# KiCad board helios-panel.kicad_pcb (continued)
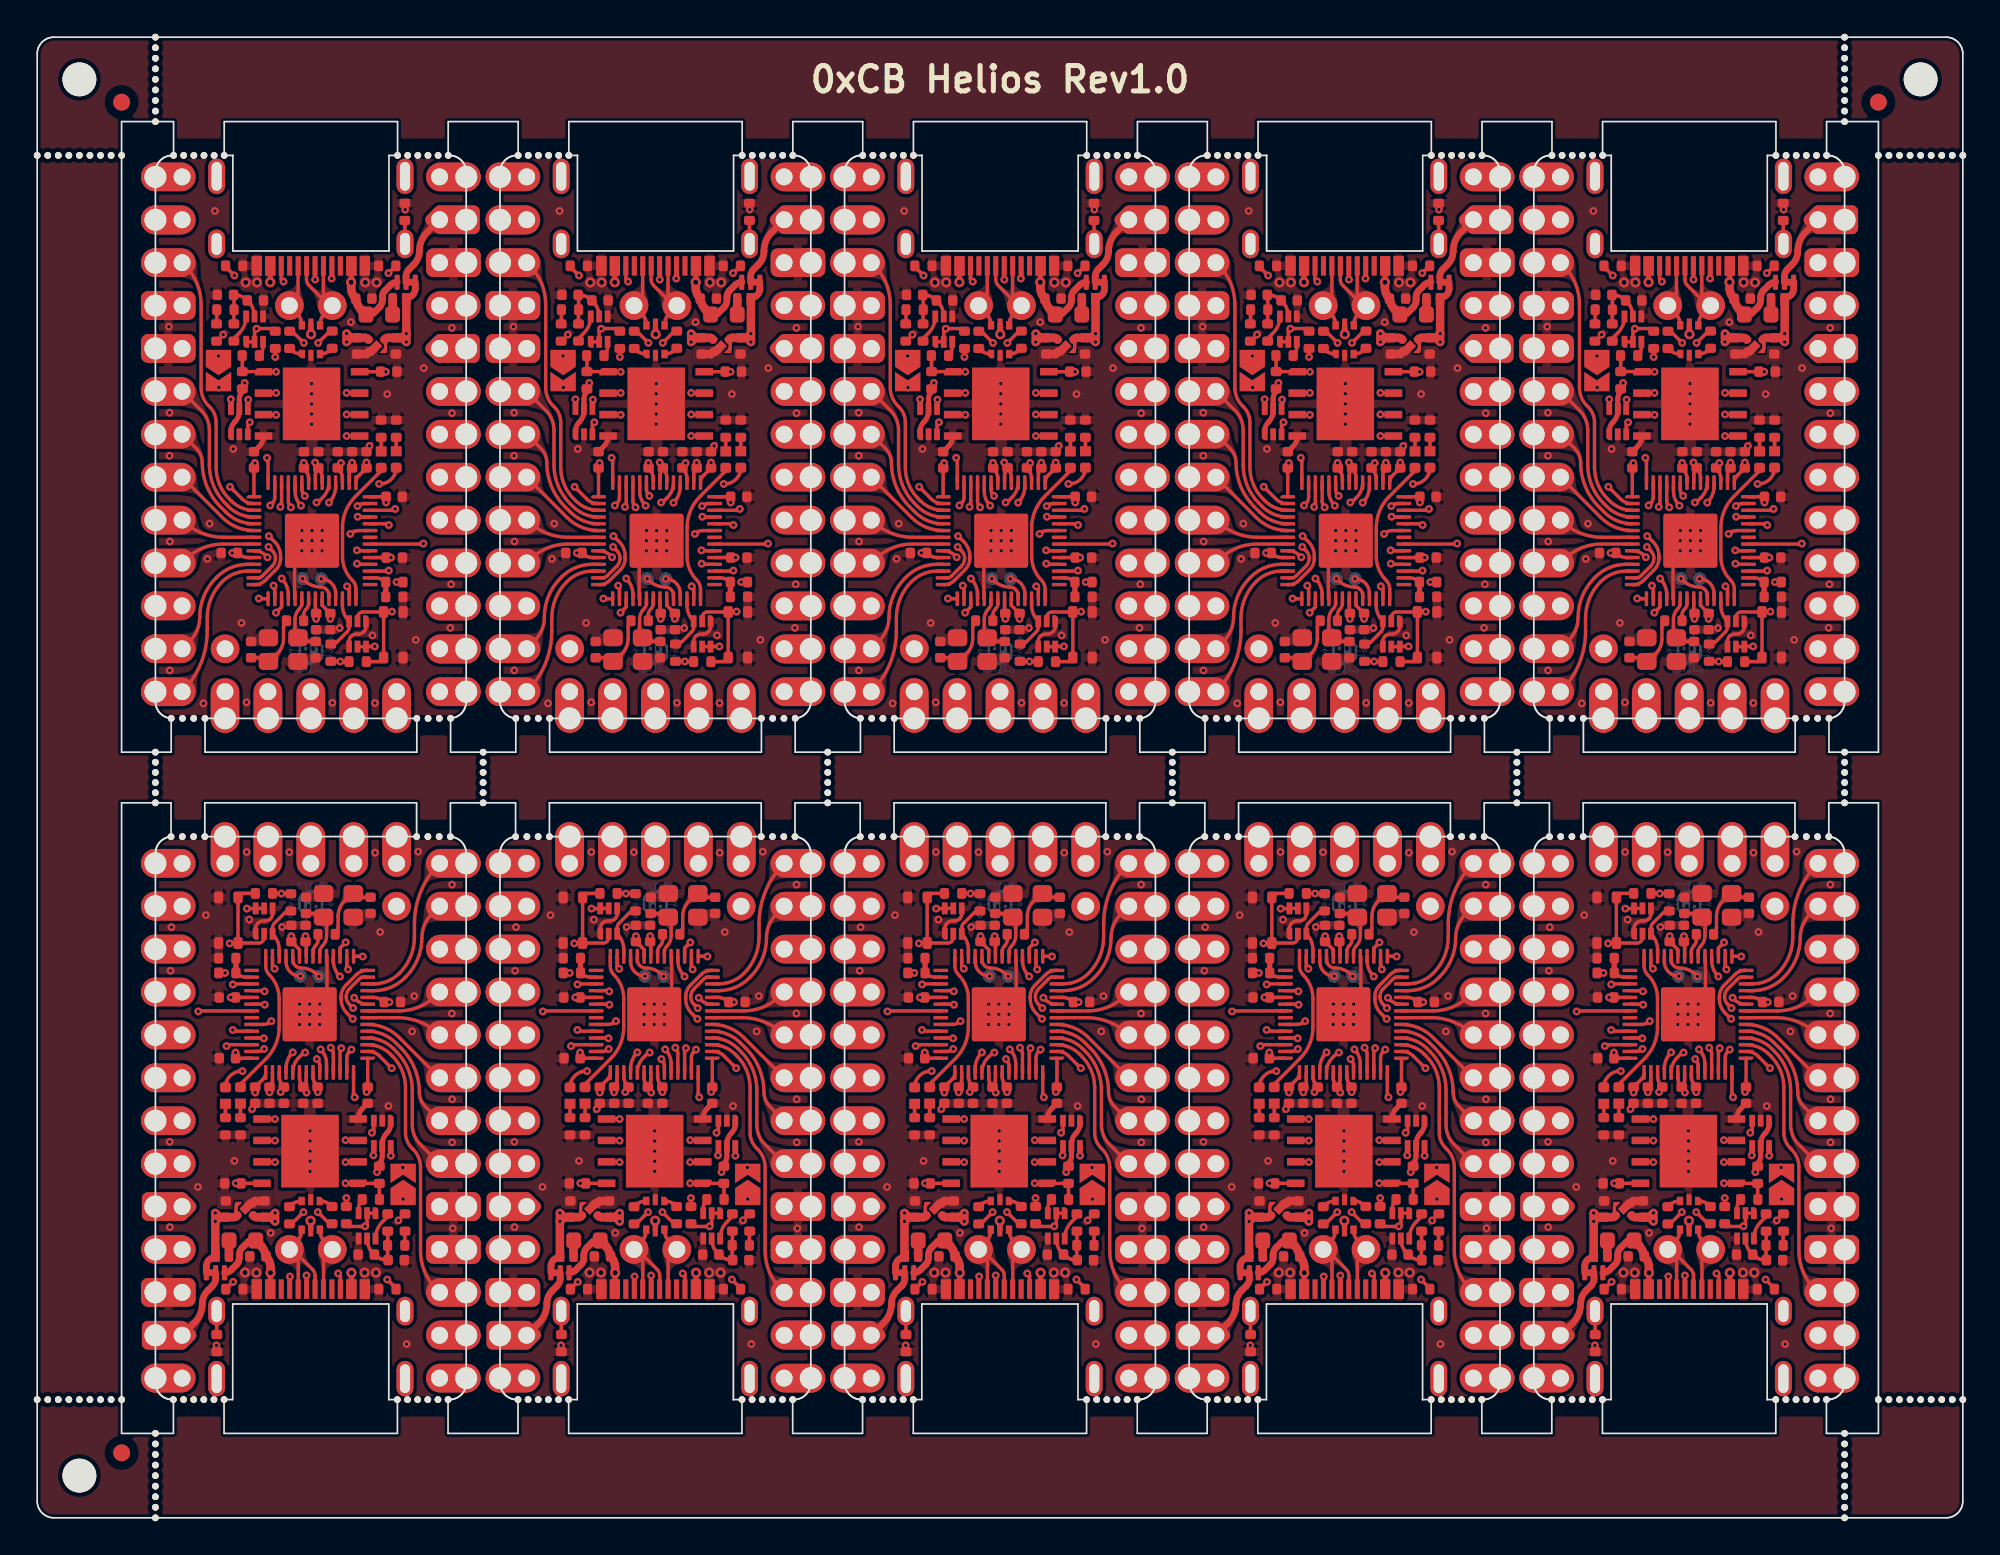
[diagram p0: board, top side]
## Routing (per net, layer and track width the routed paths; a pad name or vN(x,y) marks a point on that pad's centre or on a via; arc(x,y) is an arc through that point) (continued)
  Top w0.2: v1(13.46,31.17) 13.43,31.21 U4#6.32
  In1.Cu w0.2: J2#9.19 11.48,35.85 arc(12.78,34.02) 13.41,31.88 13.41,31.22 v1(13.46,31.17)
Board_5-/22_SCK: length 5.9
  Top w0.2: U4#6.34 13.45,30.41 v1(13.48,30.38)
  In1.Cu w0.2: v1(13.48,30.38) 13.43,30.34 10.5,30.34 arc(9.46,30.54) J2#9.22
Board_5-/23_SDO: length 9.8
  Top w0.2: U4#6.35 9.57,30.01 v1(9.54,29.98)
  In2.Cu w0.2: v1(9.54,29.98) 9.66,30.11 9.66,33.83 arc(9.43,35.03) 8.75,36.04 J2#9.20
Board_5-/A0: length 4.2
  Top w0.2: U4#6.38 11.66,28.81 v1(11.58,28.88)
  In1.Cu w0.2: v1(11.58,28.88) 9.29,28.88 arc(8.91,28.81) J2#9.23
Board_5-/A1: length 6.5
  Top w0.2: v1(13.43,28.39) 13.41,28.41 U4#6.39
  In1.Cu w0.2: J2#9.24 10.68,28.15 arc(10.97,28.34) 11.31,28.41 13.4,28.41 v1(13.43,28.39)
Board_5-/A2: length 6.8
  Top w0.2: U4#6.40 11.29,28.01 v1(11.2,27.93)
  In1.Cu w0.2: J2#9.25 9.94,24.87 arc(10.88,26.27) v1(11.2,27.93)
Board_5-/A3: length 9.7
  Top w0.2: v1(13.43,27.76) 13.43,27.76 arc(13.27,27.65) 13.08,27.61 U4#6.41
  In1.Cu w0.2: J2#9.26 10.4,22.79 arc(11.09,23.83) 11.34,25.05 11.34,25.55 arc(11.5,26.4) 11.99,27.12 12.05,27.19 arc(12.69,27.61) v1(13.43,27.76)
Board_5-/BOOT: length 0.9
  Top w0.2: Q2#9.3 19.03,18.33 arc(19.09,18.61) 19.24,18.85
Board_5-/D+: length 12.7
  Top w0.2: v1(16.62,18.1) 17.3,17.41 R12#7.2 ; v1(15.87,27.55) 15.79,27.55 15.5,27.26 arc(15.23,26.85) U4#6.47
  In1.Cu w0.2: v1(16.62,18.1) 15.99,18.73 arc(15.51,19.45) 15.34,20.29 15.34,21.15 15.34,25.04 arc(15.38,25.23) 15.49,25.39 15.58,25.49 arc(15.69,25.65) 15.73,25.84 15.73,27.41 v1(15.87,27.55)
Board_5-/D-: length 12.7
  Top w0.2: v1(15.77,18.1) 15.06,17.4 R13#2.2 ; U4#6.46 14.73,26.59 arc(14.83,27.12) v1(15.13,27.56)
  In1.Cu w0.2: v1(15.77,18.1) 15.77,18.11 arc(15.73,18.3) 15.62,18.46 arc(15.08,19.27) 14.89,20.22 14.89,21.53 arc(14.86,21.6) 14.8,21.62 arc(14.74,21.65) 14.71,21.71 14.71,21.83 arc(14.74,21.9) 14.8,21.92 14.89,21.92 14.89,21.93 14.95,21.93 arc(15,21.95) 15.02,22 15.02,22.17 arc(15,22.22) 14.95,22.23 arc(14.91,22.25) 14.89,22.3 14.89,25.22 arc(14.93,25.41) 15.04,25.58 15.13,25.67 arc(15.24,25.83) 15.28,26.03 15.28,27.21 arc(15.24,27.4) 15.13,27.56 v1(15.13,27.56)
Board_5-/LED: length 8.8
  Top w0.2: D2#10.2 12.04,25.67 13.56,27.19 arc(14.13,28.04) 14.32,29.04 14.32,30.74 arc(14.17,31.51) 13.74,32.16 arc(13.58,32.39) 13.53,32.66 U4#6.28
Board_5-/PORT+: length 7.1
  Top w0.2: 15.95,13.54 15.95,14.34 v1(15.95,14.35) ; U1#6.6 16.73,17.04 arc(16.81,16.66) 17.03,16.33 J2#9.34 16.95,15.38 16.95,13.54
  In1.Cu w0.2: J2#9.34 17.3,15.89 15.95,14.53 v1(15.95,14.35)
Board_5-/PORT-: length 7.1
  Top w0.2: J2#9.33 15.36,16.32 arc(15.58,16.65) 15.66,17.03 U1#6.4 ; J2#9.33 15.45,15.36 15.45,13.54 ; J2#9.33 15.12,15.89 16.31,14.7 arc(16.42,14.53) 16.45,14.34 16.45,13.54
Board_5-/QSPI_CLK: length 11.3
  Top w0.2: U4#6.52 17.13,26.89 arc(17.04,27.35) v1(16.78,27.73) ; v1(14.08,22.33) 14.07,22.34 U3.6
  In2.Cu w0.2: v1(16.78,27.73) 16.78,27.63 arc(17.24,26.94) 17.41,26.13 17.41,24.85 arc(17.23,24.43) 16.81,24.26 14.11,24.26 arc(13.75,24.11) 13.61,23.76 13.61,23.48 arc(13.73,22.86) v1(14.08,22.33)
Board_5-/QSPI_CS: length 9.8
  Top w0.2: v1(18.8,24.9) 18.73,24.97 18.73,26.35 ; R9#5.1 20.26,18.86 R11#6.2 19.01,19.8 U3.1 18.26,19.8 v1(18.26,19.81)
  In2.Cu w0.2: v1(18.8,24.9) arc(18.97,24.64) 19.03,24.34 19.03,21.68 arc(18.83,20.67) v1(18.26,19.81)
Board_5-/QSPI_SD0: length 11.3
  Top w0.2: v1(17.38,27.83) 17.38,27.83 arc(17.49,27.67) 17.53,27.48 U4#6.53 ; v1(14.08,23.61) 14.07,23.61 U3.5
  In2.Cu w0.2: v1(17.38,27.83) 17.38,27.76 arc(17.62,27.4) 17.7,26.98 17.7,24.8 arc(17.46,24.21) 16.87,23.96 16.03,23.96 arc(15.93,23.92) 15.88,23.81 15.88,23.56 arc(15.84,23.45) 15.73,23.41 arc(15.63,23.45) 15.59,23.56 15.59,23.81 arc(15.54,23.92) 15.44,23.96 arc(15.33,23.92) 15.28,23.81 15.28,23.56 arc(15.24,23.45) 15.13,23.41 arc(15.03,23.45) 14.98,23.56 14.98,23.81 arc(14.94,23.92) 14.84,23.96 arc(14.46,23.89) 14.14,23.67 v1(14.08,23.61)
Board_5-/QSPI_SD1: length 11.4
  Top w0.2: v1(18.6,27.72) 18.48,27.6 arc(18.37,27.43) 18.33,27.24 U4#6.55 ; 19,21.08 18.27,21.08 v1(18.26,21.06)
  In2.Cu w0.2: v1(18.6,27.72) 18.44,27.56 arc(18.34,27.41) 18.3,27.24 arc(18.35,27.13) 18.45,27.09 18.55,27.09 arc(18.66,27.05) 18.7,26.94 arc(18.66,26.83) 18.55,26.79 18.45,26.79 arc(18.35,26.75) 18.3,26.64 arc(18.35,26.53) 18.45,26.49 18.55,26.49 arc(18.66,26.45) 18.7,26.34 arc(18.66,26.23) 18.55,26.19 18.45,26.19 arc(18.35,26.15) 18.3,26.04 arc(18.35,25.93) 18.45,25.89 18.55,25.89 arc(18.66,25.85) 18.7,25.74 arc(18.66,25.63) 18.55,25.59 18.45,25.59 arc(18.35,25.55) 18.3,25.44 18.3,24.88 arc(18.34,24.69) 18.45,24.53 18.58,24.4 arc(18.69,24.23) 18.73,24.04 18.73,23.7 arc(18.69,23.6) 18.58,23.55 18.48,23.55 arc(18.37,23.51) 18.33,23.4 arc(18.37,23.3) 18.48,23.25 18.58,23.25 arc(18.69,23.21) 18.73,23.1 18.73,22.2 arc(18.61,21.59) v1(18.26,21.06)
Board_5-/QSPI_SD2: length 11.3
  Top w0.2: v1(18.01,27.81) 17.93,27.73 U4#6.54 ; v1(18.26,22.36) 18.27,22.34 U3.3
  In2.Cu w0.2: v1(18.01,27.81) 18.01,23.81 arc(17.96,23.7) 17.85,23.66 17.16,23.66 arc(17.05,23.62) 17.01,23.51 arc(17.05,23.4) 17.16,23.36 17.85,23.36 arc(17.96,23.32) 18.01,23.21 arc(17.96,23.1) 17.85,23.06 17.16,23.06 arc(17.05,23.02) 17.01,22.91 arc(17.05,22.8) 17.16,22.76 17.85,22.76 arc(17.96,22.72) 18.01,22.61 v1(18.26,22.36)
Board_5-/QSPI_SD3: length 11.4
  Top w0.2: v1(14.08,21.06) 14.07,21.08 13.31,21.08 ; v1(16.55,27.16) 16.58,27.13 arc(16.69,26.97) 16.73,26.78 U4#6.51
  In2.Cu w0.2: v1(16.55,27.16) arc(16.96,26.55) 17.1,25.84 17.1,24.91 arc(17.01,24.68) 16.77,24.58 14.09,24.58 arc(13.51,24.34) 13.27,23.76 13.27,23.03 arc(13.48,21.96) v1(14.08,21.06)
Board_5-/RAW: length 4.4
  Top w0.4: JP2#2.2 10.57,14.18 arc(10.52,13.94) 10.38,13.74 10.1,13.45 arc(9.86,13.1) 9.77,12.68 arc(9.65,12.06) 9.3,11.53 J2#9.30
Board_5-/RESET: length 25.2
  Top w0.2: SW1#7.2 SW1#7.2 12.13,36.97 R1#4.2 ; SW1#7.2 13.12,34.03 arc(13.34,34.12) 13.43,34.35 Q1#2.2 ; SW1#7.2 11.41,34.03 v1(11.39,34.01)
  In2.Cu w0.2: v1(11.39,34.01) arc(10.45,32.6) 10.12,30.93 10.12,19.61 arc(9.72,17.6) J2#9.28
Board_5-/RGB_5V: length 17.5
  Top w0.2: U5#7.4 19.93,21.48 v1(19.91,21.46)
  In2.Cu w0.2: v1(19.91,21.46) arc(20.19,21.89) 20.29,22.39 20.29,25.88 arc(20.06,27.04) 19.4,28.02 18.13,29.29 arc(17.82,29.76) 17.71,30.31 arc(17.83,30.92) 18.18,31.44 20.09,33.34 arc(20.97,34.66) J2#9.32
Board_5-/RGB_DO: length 15.4
  Top w0.2: U4#6.37 13.38,29.21 arc(13.64,29.26) v1(13.86,29.41) ; U5#7.3 19.93,22.91 v1(19.81,22.8)
  In1.Cu w0.2: v1(19.81,22.8) 20.61,22.8 arc(21.26,23.07) 21.53,23.73 arc(21.39,24.46) 20.97,25.08 20.2,25.86 arc(19.76,26.51) 19.61,27.28 19.61,27.79 arc(19.42,28.25) 18.97,28.44 15.49,28.44 arc(14.89,28.56) 14.38,28.9 v1(13.86,29.41)
Board_5-/RST: length 3.3
  Top w0.2: U4#6.26 14.33,33.63 arc(14.23,34.14) Q1#2.3 13.93,34.92 arc(13.97,35.08) 14.05,35.21 14.66,35.81 arc(14.79,35.9) 14.94,35.93 R3#5.2
Board_5-/SWD_CLK: length 2.2
  Top w0.2: v1(16.69,32.06) 16.59,32.15 arc(16.15,32.45) 15.63,32.55 arc(15.28,32.7) 15.13,33.05 U4#6.24
Board_5-/SWD_IO: length 1.7
  Top w0.2: U4#6.25 14.73,32.92 arc(14.98,32.32) v1(15.59,32.07)
Board_5-/USB+: length 0.8
  Top w0.2: R12#7.1 17.4,18.48 arc(17.1,18.69) U1#6.1
Board_5-/USB-: length 0.8
  Top w0.2: R13#2.1 15,18.49 arc(15.3,18.69) U1#6.3
Board_5-GND: length 8.2
  Top w0.2: Q1#2.4 13.93,35.76 arc(13.9,35.6) 13.82,35.47 13.8,35.46 arc(13.67,35.37) 13.52,35.34 13.37,35.34 arc(13.22,35.31) 13.09,35.22 13.05,35.19 arc(12.97,35.06) 12.93,34.9 Q1#2.1 ; v1(16.13,29.81) 17.16,30.84 17.16,33.22 U4#6.19
  Top w0.3: C16#10.2 19.25,24.23 arc(19.07,23.95) U3.4
  Top w0.5: C5#10.2 12.9,18.76 U2#9.2 12.64,18.61 12.49,18.46
  vias: v1(7.84,22.26) v1(7.95,34.97) v1(7.89,32.39) v1(7.86,17.21) v1(9.52,19.59) v1(9.98,35.68) v1(10.61,10.21) v1(11.68,21.13) v1(12.41,39.42) v1(12.55,35.42) v1(12.73,24.2) v1(13.82,16.87) v1(14.5,34.98) v1(14.93,39.41) v1(15.53,30.41) v1(15.53,29.81) v1(15.52,29.21) v1(16.13,30.41) v1(16.13,29.21) v1(16.16,22.91) v1(16.16,22.31) v1(16.16,21.71) v1(16.16,21.11) v1(16.16,20.51) v1(16.73,30.41) v1(16.73,29.81) v1(16.73,29.21) v1(20.01,39.38) v1(20.3,34.68) v1(20.8,24.38) v1(21.38,17.61) v1(21.88,10.29) v1(22.2,28.8) v1(22.33,30.89) v1(22.55,39.44) v1(24.55,29.86) v1(24.55,37.49) v1(24.56,24.78) v1(24.56,22.23) v1(24.6,17.14) v2(12.3,14.52) v2(12.98,14.52) v2(19.38,14.52) v2(20.05,14.52)
Board_5-Net-(C8-Pad2): length 3.9
  Top w0.2: R14#5.1 17.67,34.57 arc(17.78,34.74) 17.81,34.93 17.81,35.6 arc(17.91,36.1) 18.19,36.52 18.63,36.96 Y1.1 18.93,36.74 C8#8.2
Board_5-Net-(D1-A): length 22.4
  Top w0.2: v1(12.16,26.45) 12.11,26.45 arc(11.43,26.17) D1#8.2 ; JP1#6.2 21.65,20.48 v1(21.65,20.74)
  In1.Cu w0.2: v1(12.16,26.45) 13.26,26.45 arc(13.73,26.54) 14.12,26.81 arc(14.34,27.13) 14.41,27.51 arc(14.3,28.09) 13.97,28.58 13.52,29.03 arc(13.38,29.39) 13.52,29.74 13.54,29.76 arc(13.89,29.9) 14.25,29.76 15.07,28.93 arc(15.29,28.79) 15.54,28.74 18.99,28.74 arc(19.64,28.46) 19.91,27.81 19.91,27.42 arc(20.07,26.63) 20.52,25.96 21.27,25.21 arc(21.69,24.58) 21.84,23.84 21.84,21.17 arc(21.79,20.94) 21.66,20.74 v1(21.65,20.74)
Board_5-Net-(D1-K): length 0.8
  Top w0.2: D1#8.1 R10#10.1
Board_5-Net-(D2-K): length 0.8
  Top w0.2: D2#10.1 R15#4.1
Board_5-Net-(D3-A): length 0.9
  Top w0.5: 11.36,15.5 11.36,16.42 F1#4.2
Board_5-Net-(J1-CC1): length 4.8
  Top w0.2: v1(14.96,14.29) 14.95,14.28 14.95,13.54 ; v1(11.61,13.97) 11.59,13.97 R7#8.2
  In1.Cu w0.2: v1(11.61,13.97) 11.62,13.99 14.23,13.99 arc(14.63,14.06) v1(14.96,14.29)
Board_5-Net-(J1-CC2): length 4.9
  Top w0.2: R8#7.2 21.24,13.59 v1(20.73,14.11) ; v1(17.81,14.47) 17.95,14.33 17.95,13.54
  In1.Cu w0.2: v1(20.73,14.11) 20.69,14.07 arc(20.59,14.01) 20.48,13.99 18.42,13.99 arc(18.31,14.01) 18.21,14.07 v1(17.81,14.47)
Board_5-Net-(J1-SHIELD): length 1.4
  Top w0.2: 10.63,12.24 10.63,10.85 FB1#6.1
Board_5-Net-(Q1A-D): length 26.6
  Top w0.2: Q2#9.1 Q2#9.2 19.53,17.38 v1(19.41,17.26) 19.41,17.25 18.47,17.25 R2#7.2 ; v1(12.41,36.07) 12.93,36.07 Q1#2.6 Q1#2.5
  In2.Cu w0.2: v1(12.41,36.07) 12.81,36.07 arc(14.76,35.68) 16.42,34.58 arc(17.15,33.48) 17.41,32.18 17.41,30.22 arc(17.53,29.64) 17.86,29.14 19.11,27.89 arc(19.76,26.92) 19.99,25.77 19.99,24.79 arc(19.9,24.32) 19.63,23.92 arc(19.41,23.59) 19.33,23.2 19.33,17.34 v1(19.41,17.26)
Board_5-Net-(Q2A-D): length 1.7
  Top w0.2: R4#6.1 20.76,17.84 20.44,17.53 arc(20.14,17.07) Q2#9.6
Board_5-Net-(Q2B-G): length 3.7
  Top w0.2: R4#6.2 20.76,16.14 20.74,16.13 20.74,15.29 C1#8.1 20.74,15.26 arc(20.32,15.34) C2#4.1 19.9,15.65 arc(19.63,16.05) Q2#9.5
Board_5-Net-(R5-Pad2): length 0.8
  Top w0.2: R6.1 21.77,16.96 R5#2.2
Board_5-Net-(U4-XTAL_IN): length 3.6
  Top w0.2: C7#6.2 16.74,35.78 Y1.3 16.99,35.53 arc(17.1,35.37) 17.13,35.18 17.13,34.47 arc(17.07,34.13) 16.88,33.84 arc(16.77,33.68) 16.73,33.49 U4#6.20
Board_5-Net-(U4-XTAL_OUT): length 1.4
  Top w0.2: R14#5.2 16.62,34.22 arc(16.59,34.03) 16.48,33.87 16.48,33.87 arc(16.37,33.7) 16.33,33.51 U4#6.21
Board_5-VBUS: length 32.1
  Top w0.2: v1(11.12,32.26) R16#3.1
  Top w0.3: v2(13.82,14.51) 13.8,14.5 13.8,13.54 ; v2(18.6,14.51) 18.6,13.54
  Top w0.4: F1#4.1 12.69,16.42 arc(12.58,16.4) 12.48,16.33 12.14,16 arc(12.01,15.8) 11.96,15.56 11.96,15.37 arc(11.93,15.18) 11.81,15.01 11.48,14.67 arc(11.3,14.55) JP2#2.3
  Top w0.5: v2(13.82,14.51) 13.82,14.83 arc(13.74,15.18) C3#9.1 13.52,15.5 13.52,15.51 arc(13.43,15.84) 13.23,16.12 F1#4.1
  In2.Cu w0.2: v1(11.12,32.26) arc(10.6,31.48) 10.42,30.56 10.42,22.7 arc(11.3,18.27) v2(13.82,14.51)
  In2.Cu w0.5: v2(18.6,14.51) arc(18.34,13.86) 17.69,13.59 14.73,13.59 arc(14.08,13.86) v2(13.82,14.51)
Board_6-+1V1: length 15.7
  Top w0.2: v1(37.02,25.2) 37.01,25.21 C17.1 arc(36.8,25.8) 36.73,26.16 U4#10.50 ; v1(34.81,25.21) 35.01,25.4 C10#5.2 arc(34.8,25.8) 34.73,26.16 U4#10.45 ; U4#10.23 35.93,33.64 35.45,34.12 C19#2.1 v1(35.45,34.44)
  In2.Cu w0.2: v1(37.02,25.2) 35.98,26.24 ; 35.98,26.24 35.33,26.89 arc(35.05,27.3) 34.95,27.79 34.95,33.26 arc(35.08,33.9) v1(35.45,34.44) ; 35.98,26.24 34.95,25.21 v1(34.81,25.21)
Board_6-+3V3: length 21.3
  Top w0.2: 33.12,30.81 C12#10.1 v1(31.85,30.81) ; 32.66,19.81 v1(32.16,19.81) 32.16,19.8 U3#7.8 ; v1(36.34,25.18) 36.16,25.37 C14#6.1 ; U4#10.1 39.97,25.5 C16.1 39.97,25.27 v1(39.91,25.21) ; v1(41.26,30.53) C15#7.1 arc(40.65,30.74) 40.29,30.81 U4#10.10 ; R2#8.1 v1(38.7,18.94) ; R3#7.1 35.41,36.96 v1(34.85,36.96) 34.84,36.97 R1#6.1 ; v1(33.3,25.18) C18#10.1 33.76,25.95 arc(33.88,26.14) U4#10.43 ; v1(34.16,25.19) C9#5.2 34.27,25.62 arc(34.31,25.68) 34.33,25.76 U4#10.44 ; v1(36.28,34.44) C11#9.1 36.33,34.08 U4#10.22 ; v1(40.52,20.47) 40.52,20.68 R11#7.1 ; 33.12,27.21 C13.1 v1(32.15,27.55) ; U4#10.48 35.93,26.04 arc(35.99,25.75) C14#6.1 ; U4#10.49 36.33,25.92 arc(36.28,25.69) C14#6.1
  Top w0.3: R11#7.1 40.66,21 40.71,21.05 arc(40.8,21.23) 40.83,21.42 U5#2.5 40.83,22.13 arc(40.9,22.48) 41.1,22.78 41.11,22.79 arc(41.27,23.03) 41.33,23.32 U5#2.1
  Top w0.5: 33.18,17.91 33.23,17.86 arc(33.3,17.82) 33.37,17.8 C5.1 34.23,17.8 ; 34.23,17.8 v1(34.48,17.55) v1(34.48,18.05) 34.23,17.8
  vias: v1(42.06,18.87)
Board_6-+5V: length 20.9
  Top w0.2: U2#5.3 32.23,18.56 arc(32.19,18.5) 32.18,18.42 32.18,18.13 arc(32.19,18.05) 32.23,17.99 U2#5.4
  Top w0.3: v2(36.59,17.59) 36.59,17.58 U1#5.5 ; v1(41.34,21.44) 41.33,21.44 U5#2.6
  Top w0.4: JP2.1 30.41,14.89 arc(30.57,15.26) 30.95,15.42
  Top w0.5: 31.2,17.8 v1(30.95,17.55) ; 31.2,17.8 v1(30.95,18.05) v1(30.95,17.55) ; 31.2,17.8 C4#2.1 32.06,17.8 arc(32.13,17.82) 32.2,17.86 32.25,17.91 ; v1(30.95,17.55) 30.95,15.42 30.95,15.43 D3#2.1
  In1.Cu w0.3: v1(30.95,18.05) 31.24,18.34 arc(31.6,18.58) 32.03,18.67 34.2,18.67 arc(34.71,18.57) 35.15,18.28 35.57,17.86 arc(35.88,17.65) 36.25,17.58 36.57,17.58 v2(36.59,17.59) 36.6,17.58 37.81,17.58 arc(39.14,17.84) 40.27,18.6 arc(41.06,19.77) 41.34,21.16 v1(41.34,21.44)
Board_6-/0_TX0: length 18.4
  Top w0.2: U4#10.2 40.02,27.61 arc(40.37,27.54) 40.66,27.34 v1(41.38,26.62)
  In1.Cu w0.2: J2#4.2 44.22,11.38 arc(44.18,11.57) 44.07,11.73 44.04,11.77 arc(43.15,13.1) 42.84,14.68 42.84,23.91 arc(42.65,24.82) 42.14,25.59 41.58,26.15 arc(41.44,26.37) v1(41.38,26.62)
Board_6-/1_RX0: length 16.4
  Top w0.2: J2#4.3 44.04,13.53 arc(43.34,14.58) 43.09,15.81 43.09,20.77 arc(42.98,21.33) 42.66,21.81 42.58,21.9 arc(42.3,22.31) 42.2,22.8 42.2,25.47 arc(42,26.48) 41.43,27.33 41.31,27.45 arc(40.7,27.87) U4#10.3
Board_6-/2_SDA1: length 9.4
  Top w0.2: J2#4.6 43.08,22.11 arc(42.73,22.64) 42.6,23.26 42.6,25.33 arc(42.36,26.56) 41.66,27.6 41.48,27.78 arc(40.79,28.25) U4#10.4
Board_6-/3_SCL1: length 7.3
  Top w0.2: J2#4.7 43.38,24.35 arc(43.12,24.74) 43.02,25.21 arc(42.75,26.61) 41.95,27.8 41.63,28.12 arc(40.87,28.63) U4#10.5
Board_6-/4: length 5.4
  Top w0.2: J2#4.8 41.83,28.44 arc(40.98,29.01) U4#10.6
Board_6-/5: length 4.5
  Top w0.2: U4#10.7 41.76,29.61 arc(43.09,29.34) J2#4.9
Board_6-/6: length 4.6
  Top w0.2: U4#10.8 41.81,30.01 arc(43,30.25) 44.01,30.92 J2#4.10
Board_6-/7: length 6.9
  Top w0.2: U4#10.9 39.93,30.41 arc(39.57,30.48) 39.27,30.69 v1(39.16,30.79)
  In2.Cu w0.2: v1(39.16,30.79) 40.51,32.13 arc(42.21,33.27) J2#4.11
Board_6-/8: length 7.3
  Top w0.2: U4#10.11 40.35,31.21 arc(41.32,31.4) 42.15,31.95 42.22,32.02 arc(42.93,33.08) 43.17,34.34 arc(43.33,35.1) 43.76,35.75 J2#4.12
Board_6-/9: length 9.2
  Top w0.2: U4#10.12 40.33,31.61 arc(41.15,31.77) 41.84,32.24 arc(42.5,33.23) 42.73,34.39 42.73,35.16 arc(43.12,37.11) J2#4.13
Board_6-/10: length 26.5
  Top w0.2: v1(39.1,30.18) 38.87,30.42 arc(38.74,30.61) 38.69,30.84 arc(38.74,31.1) 38.89,31.32 39.46,31.89 arc(39.59,31.98) 39.74,32.01 U4#10.13
  In2.Cu w0.2: v1(39.1,30.18) 39.14,30.18 42.42,26.9 arc(42.83,26.28) 42.98,25.56 42.98,11.28 arc(43.3,9.65) J2#4.1
Board_6-/11: length 38
  Top w0.2: U4#10.14 39.88,32.41 arc(39.58,32.35) 39.32,32.18 38.67,31.53 arc(38.46,31.22) 38.39,30.86 38.39,30.73 arc(38.48,30.26) 38.75,29.87 39.07,29.54 v1(39.09,29.54)
  In1.Cu w0.2: v1(39.09,29.54) 39.09,29.35 arc(39.18,29.13) 39.4,29.04 arc(40.26,28.68) 40.61,27.82 40.61,27.59 arc(40.78,26.76) 41.25,26.06 41.91,25.4 arc(42.37,24.7) 42.53,23.88 42.53,15.39 arc(41.98,14.06) 40.65,13.51 31.37,13.51 arc(30.54,13.17) 30.2,12.33 30.2,11.2 arc(29.88,9.62) J2#4.31
Board_6-/12: length 6.6
  Top w0.2: v1(39.68,33.23) 39.67,33.25 U4#10.15
  In1.Cu w0.2: v1(39.68,33.23) 39.68,33.92 arc(40.2,36.53) J2#4.14
Board_6-/13: length 7.2
  Top w0.2: U4#10.16 38.73,32.55 v1(38.8,32.47)
  In1.Cu w0.2: J2#4.15 39.14,33.28 arc(39.05,32.84) v1(38.8,32.47)
Board_6-/14: length 6.2
  Top w0.2: v1(38.66,34.07) 38.33,33.73 U4#10.17
  In1.Cu w0.2: J2#4.16 36.82,38.53 arc(38.18,36.49) v1(38.66,34.07)
Board_6-/15: length 9.5
  Top w0.2: U4#10.18 37.93,33 arc(38.03,32.49) v1(38.33,32.05)
  In1.Cu w0.2: J2#4.17 36.6,36.21 arc(37.43,34.96) 37.73,33.5 arc(37.88,32.71) v1(38.33,32.05)
Board_6-/16: length 7.9
  Top w0.2: U4#10.27 34.33,32.63 v1(34.45,32.51)
  In1.Cu w0.2: J2#4.18 32.12,38.15 arc(33.85,35.56) v1(34.45,32.51)
Board_6-/20_SDI: length 4.9
  Top w0.2: v1(31.98,31.58) 32.02,31.61 U4#10.31
  In1.Cu w0.2: J2#4.21 30.42,32.23 arc(31.14,31.75) v1(31.98,31.58)
Board_6-/21_CS: length 10.1
  Top w0.2: v1(33.87,31.17) 33.83,31.21 U4#10.32
  In1.Cu w0.2: J2#4.19 31.88,35.85 arc(33.18,34.02) 33.81,31.88 33.81,31.22 v1(33.87,31.17)
Board_6-/22_SCK: length 5.9
  Top w0.2: U4#10.34 33.84,30.41 v1(33.88,30.38)
  In1.Cu w0.2: v1(33.88,30.38) 33.83,30.34 30.9,30.34 arc(29.86,30.54) J2#4.22
Board_6-/23_SDO: length 9.8
  Top w0.2: U4#10.35 29.97,30.01 v1(29.94,29.98)
  In2.Cu w0.2: v1(29.94,29.98) 30.06,30.11 30.06,33.83 arc(29.83,35.03) 29.15,36.04 J2#4.20
Board_6-/A0: length 4.2
  Top w0.2: U4#10.38 32.05,28.81 v1(31.98,28.88)
  In1.Cu w0.2: v1(31.98,28.88) 29.69,28.88 arc(29.31,28.81) J2#4.23
Board_6-/A1: length 6.5
  Top w0.2: v1(33.83,28.39) 33.8,28.41 U4#10.39
  In1.Cu w0.2: J2#4.24 31.08,28.15 arc(31.37,28.34) 31.71,28.41 33.8,28.41 v1(33.83,28.39)
Board_6-/A2: length 6.8
  Top w0.2: U4#10.40 31.69,28.01 v1(31.6,27.93)
  In1.Cu w0.2: J2#4.25 30.34,24.87 arc(31.28,26.27) v1(31.6,27.93)
Board_6-/A3: length 9.7
  Top w0.2: v1(33.84,27.76) 33.83,27.76 arc(33.67,27.65) 33.48,27.61 U4#10.41
  In1.Cu w0.2: J2#4.26 30.8,22.79 arc(31.49,23.83) 31.73,25.05 31.73,25.55 arc(31.9,26.4) 32.39,27.12 32.45,27.19 arc(33.09,27.61) v1(33.84,27.76)
Board_6-/BOOT: length 0.9
  Top w0.2: Q2#10.3 39.43,18.33 arc(39.49,18.61) R9#7.2
Board_6-/D+: length 12.7
  Top w0.2: v1(37.02,18.1) 37.7,17.41 R12#8.2 ; v1(36.27,27.55) 36.19,27.55 35.9,27.26 arc(35.63,26.85) U4#10.47
  In1.Cu w0.2: v1(37.02,18.1) 36.39,18.73 arc(35.91,19.45) 35.74,20.29 35.74,21.15 35.74,25.04 arc(35.78,25.23) 35.89,25.39 35.98,25.49 arc(36.09,25.65) 36.13,25.84 36.13,27.41 v1(36.27,27.55)
Board_6-/D-: length 12.7
  Top w0.2: v1(36.16,18.1) 35.47,17.4 R13#3.2 ; U4#10.46 35.13,26.59 arc(35.23,27.12) v1(35.53,27.56)
  In1.Cu w0.2: v1(36.16,18.1) 36.16,18.11 arc(36.13,18.3) 36.02,18.46 arc(35.48,19.27) 35.29,20.22 35.29,21.53 arc(35.26,21.6) 35.2,21.62 arc(35.14,21.65) 35.11,21.71 35.11,21.83 arc(35.14,21.9) 35.2,21.92 35.29,21.92 35.29,21.93 35.35,21.93 arc(35.4,21.95) 35.42,22 35.42,22.17 arc(35.4,22.22) 35.35,22.23 arc(35.31,22.25) 35.29,22.3 35.29,25.22 arc(35.33,25.41) 35.44,25.58 35.53,25.67 arc(35.64,25.83) 35.68,26.03 35.68,27.21 arc(35.64,27.4) 35.53,27.56 v1(35.53,27.56)
Board_6-/LED: length 8.8
  Top w0.2: D2#3.2 32.44,25.67 33.96,27.19 arc(34.53,28.04) 34.73,29.04 34.73,30.74 arc(34.57,31.51) 34.14,32.16 arc(33.98,32.39) 33.93,32.66 U4#10.28
Board_6-/PORT+: length 7.1
  Top w0.2: 36.35,13.54 36.35,14.34 v1(36.34,14.35) ; U1#5.6 37.13,17.04 arc(37.21,16.66) 37.43,16.33 J2#4.34 37.35,15.38 37.35,13.54
  In1.Cu w0.2: J2#4.34 37.7,15.89 36.34,14.53 v1(36.34,14.35)
Board_6-/PORT-: length 7.1
  Top w0.2: J2#4.33 35.76,16.32 arc(35.98,16.65) 36.06,17.03 U1#5.4 ; J2#4.33 35.85,15.36 35.85,13.54 ; J2#4.33 35.52,15.89 36.71,14.7 arc(36.82,14.53) 36.85,14.34 36.85,13.54
Board_6-/QSPI_CLK: length 11.3
  Top w0.2: U4#10.52 37.53,26.89 arc(37.44,27.35) v1(37.18,27.73) ; v1(34.48,22.33) 34.47,22.34 U3#7.6
  In2.Cu w0.2: v1(37.18,27.73) 37.18,27.63 arc(37.64,26.94) 37.8,26.13 37.8,24.85 arc(37.63,24.43) 37.21,24.26 34.51,24.26 arc(34.15,24.11) 34.01,23.76 34.01,23.48 arc(34.13,22.86) v1(34.48,22.33)
Board_6-/QSPI_CS: length 9.8
  Top w0.2: v1(39.2,24.9) 39.13,24.97 39.13,26.35 ; R9#7.1 40.66,18.86 R11#7.2 39.41,19.8 U3#7.1 38.66,19.8 v1(38.66,19.81)
  In2.Cu w0.2: v1(39.2,24.9) arc(39.37,24.64) 39.43,24.34 39.43,21.68 arc(39.23,20.67) v1(38.66,19.81)
Board_6-/QSPI_SD0: length 11.3
  Top w0.2: v1(37.78,27.83) 37.78,27.83 arc(37.89,27.67) 37.93,27.48 U4#10.53 ; v1(34.48,23.61) 34.48,23.61 U3#7.5
  In2.Cu w0.2: v1(37.78,27.83) 37.78,27.76 arc(38.02,27.4) 38.1,26.98 38.1,24.8 arc(37.86,24.21) 37.27,23.96 36.44,23.96 arc(36.33,23.92) 36.28,23.81 36.28,23.56 arc(36.24,23.45) 36.13,23.41 arc(36.03,23.45) 35.98,23.56 35.98,23.81 arc(35.94,23.92) 35.84,23.96 arc(35.73,23.92) 35.69,23.81 35.69,23.56 arc(35.64,23.45) 35.53,23.41 arc(35.43,23.45) 35.38,23.56 35.38,23.81 arc(35.34,23.92) 35.23,23.96 arc(34.86,23.89) 34.54,23.67 v1(34.48,23.61)
Board_6-/QSPI_SD1: length 11.4
  Top w0.2: v1(39.01,27.72) 38.88,27.6 arc(38.77,27.43) 38.73,27.24 U4#10.55 ; 39.4,21.08 38.67,21.08 v1(38.66,21.06)
  In2.Cu w0.2: v1(39.01,27.72) 38.84,27.56 arc(38.74,27.41) 38.7,27.24 arc(38.75,27.13) 38.85,27.09 38.95,27.09 arc(39.06,27.05) 39.1,26.94 arc(39.06,26.83) 38.95,26.79 38.85,26.79 arc(38.75,26.75) 38.7,26.64 arc(38.75,26.53) 38.85,26.49 38.95,26.49 arc(39.06,26.45) 39.1,26.34 arc(39.06,26.23) 38.95,26.19 38.85,26.19 arc(38.75,26.15) 38.7,26.04 arc(38.75,25.93) 38.85,25.89 38.95,25.89 arc(39.06,25.85) 39.1,25.74 arc(39.06,25.63) 38.95,25.59 38.85,25.59 arc(38.75,25.55) 38.7,25.44 38.7,24.88 arc(38.74,24.69) 38.85,24.53 38.98,24.4 arc(39.09,24.23) 39.13,24.04 39.13,23.7 arc(39.09,23.6) 38.98,23.55 38.88,23.55 arc(38.77,23.51) 38.73,23.4 arc(38.77,23.3) 38.88,23.25 38.98,23.25 arc(39.09,23.21) 39.13,23.1 39.13,22.2 arc(39.01,21.59) v1(38.66,21.06)
Board_6-/QSPI_SD2: length 11.3
  Top w0.2: v1(38.41,27.81) 38.33,27.73 U4#10.54 ; v1(38.66,22.36) 38.67,22.34 U3#7.3
  In2.Cu w0.2: v1(38.41,27.81) 38.41,23.81 arc(38.36,23.7) 38.26,23.66 37.55,23.66 arc(37.45,23.62) 37.41,23.51 arc(37.45,23.4) 37.55,23.36 38.26,23.36 arc(38.36,23.32) 38.41,23.21 arc(38.36,23.1) 38.26,23.06 37.55,23.06 arc(37.45,23.02) 37.41,22.91 arc(37.45,22.8) 37.55,22.76 38.26,22.76 arc(38.36,22.72) 38.41,22.61 v1(38.66,22.36)
Board_6-/QSPI_SD3: length 11.4
  Top w0.2: v1(34.48,21.06) 34.47,21.08 33.71,21.08 ; v1(36.95,27.16) 36.98,27.13 arc(37.09,26.97) 37.13,26.78 U4#10.51
  In2.Cu w0.2: v1(36.95,27.16) arc(37.36,26.55) 37.5,25.84 37.5,24.91 arc(37.41,24.68) 37.17,24.58 34.49,24.58 arc(33.91,24.34) 33.66,23.76 33.66,23.03 arc(33.88,21.96) v1(34.48,21.06)
Board_6-/RAW: length 4.4
  Top w0.4: JP2.2 30.97,14.18 arc(30.92,13.94) 30.78,13.74 30.5,13.45 arc(30.26,13.1) 30.17,12.68 arc(30.05,12.06) 29.7,11.53 J2#4.30
Board_6-/RESET: length 25.2
  Top w0.2: SW1#2.2 SW1#2.2 32.53,36.97 R1#6.2 ; SW1#2.2 33.52,34.03 arc(33.74,34.12) 33.84,34.35 Q1#5.2 ; SW1#2.2 31.81,34.03 v1(31.8,34.01)
  In2.Cu w0.2: v1(31.8,34.01) arc(30.85,32.6) 30.52,30.93 30.52,19.61 arc(30.12,17.6) J2#4.28
Board_6-/RGB_5V: length 17.5
  Top w0.2: U5#2.4 40.33,21.48 v1(40.3,21.46)
  In2.Cu w0.2: v1(40.3,21.46) arc(40.59,21.89) 40.69,22.39 40.69,25.88 arc(40.46,27.04) 39.8,28.02 38.53,29.29 arc(38.22,29.76) 38.11,30.31 arc(38.23,30.92) 38.58,31.44 40.49,33.34 arc(41.37,34.66) J2#4.32
Board_6-/RGB_DO: length 15.4
  Top w0.2: U4#10.37 33.78,29.21 arc(34.04,29.26) v1(34.27,29.41) ; U5#2.3 40.33,22.91 v1(40.22,22.8)
  In1.Cu w0.2: v1(40.22,22.8) 41.01,22.8 arc(41.66,23.07) 41.94,23.73 arc(41.79,24.46) 41.37,25.08 40.6,25.86 arc(40.16,26.51) 40.01,27.28 40.01,27.79 arc(39.82,28.25) 39.37,28.44 35.89,28.44 arc(35.29,28.56) 34.78,28.9 v1(34.27,29.41)
Board_6-/RST: length 3.3
  Top w0.2: U4#10.26 34.73,33.63 arc(34.63,34.14) Q1#5.3 34.34,34.92 arc(34.37,35.08) 34.45,35.21 35.06,35.81 arc(35.19,35.9) 35.34,35.93 R3#7.2
Board_6-/SWD_CLK: length 2.2
  Top w0.2: v1(37.09,32.06) 36.99,32.15 arc(36.55,32.45) 36.03,32.55 arc(35.68,32.7) 35.53,33.05 U4#10.24
Board_6-/SWD_IO: length 1.7
  Top w0.2: U4#10.25 35.13,32.92 arc(35.38,32.32) v1(35.98,32.07)
Board_6-/USB+: length 0.8
  Top w0.2: R12#8.1 37.8,18.48 arc(37.5,18.69) U1#5.1
Board_6-/USB-: length 0.8
  Top w0.2: R13#3.1 35.4,18.49 arc(35.7,18.69) U1#5.3
Board_6-GND: length 8.2
  Top w0.2: Q1#5.4 34.34,35.76 arc(34.3,35.6) 34.22,35.47 34.2,35.46 arc(34.07,35.37) 33.92,35.34 33.77,35.34 arc(33.62,35.31) 33.49,35.22 33.45,35.19 arc(33.37,35.06) 33.34,34.9 Q1#5.1 ; v1(36.53,29.81) 37.56,30.84 37.56,33.22 U4#10.19
  Top w0.3: C16.2 39.65,24.23 arc(39.47,23.95) U3#7.4
  Top w0.5: C5.2 33.3,18.76 U2#5.2 33.04,18.61 32.89,18.46
  vias: v1(28.24,22.26) v1(28.34,34.97) v1(28.3,32.39) v1(28.26,17.21) v1(29.91,19.59) v1(30.38,35.68) v1(31.02,10.21) v1(32.08,21.13) v1(32.8,39.42) v1(32.95,35.42) v1(33.12,24.2) v1(34.23,16.87) v1(34.9,34.98) v1(35.33,39.41) v1(35.94,30.41) v1(35.93,29.81) v1(35.92,29.21) v1(36.53,30.41) v1(36.53,29.21) v1(36.55,22.91) v1(36.55,22.31) v1(36.55,21.71) v1(36.55,21.11) v1(36.55,20.51) v1(37.13,30.41) v1(37.13,29.81) v1(37.12,29.21) v1(40.41,39.38) v1(40.7,34.68) v1(41.2,24.38) v1(41.78,17.61) v1(42.27,10.29) v1(42.59,28.8) v1(42.73,30.89) v1(42.95,39.44) v1(44.95,29.86) v1(44.95,37.49) v1(44.97,24.78) v1(44.97,22.23) v1(45.01,17.14) v2(32.7,14.52) v2(33.38,14.52) v2(39.78,14.52) v2(40.45,14.52)
